# Allegro board 8880F5-0825_4.brd (continued)
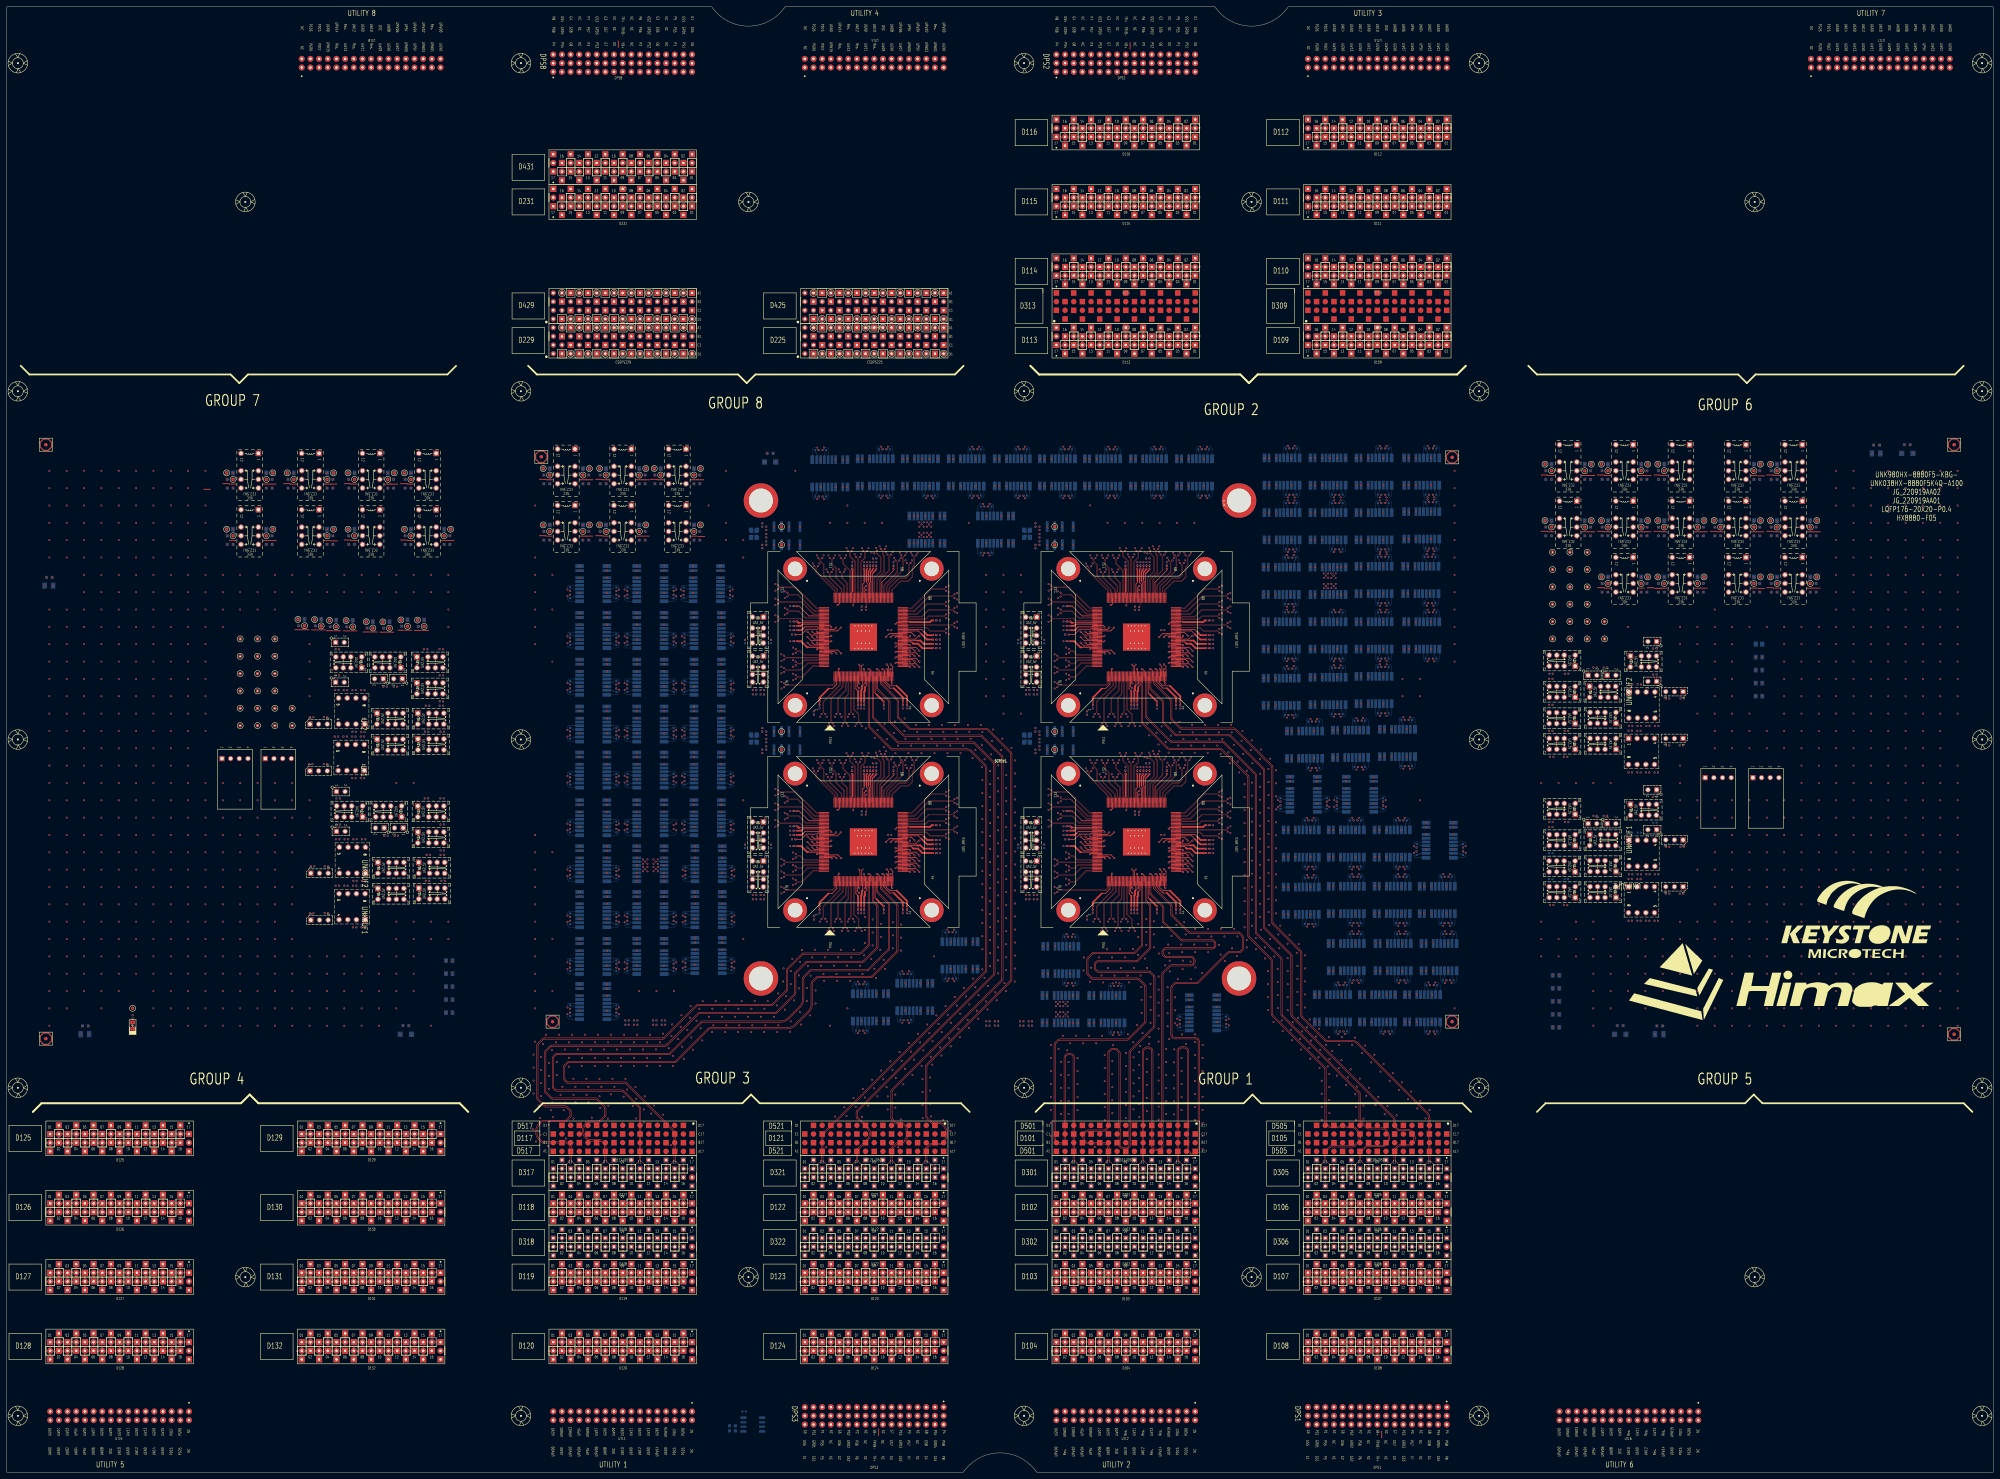
[diagram p0: board, top side]
## Routing (per net, layer and track width the routed paths; a pad name or vN(x,y) marks a point on that pad's centre or on a via; arc(x,y) is an arc through that point) (continued)
409.75,347.98 ; D110.B6 408.94,347.17 ; D110.B6 408.13,347.98 ; D110.B6 408.94,348.79 ; D305.B9 402.03,88.9 ; D305.B9 400.61,88.9 ; D305.B9 401.32,88.19 ; D305.B9 401.32,89.61 ; 174.45,415.29 DPS8.A11 ; DPS8.A11 175.26,416.1 ; DPS8.A11 175.26,414.48 ; DPS8.A11 176.07,415.29 ; D107.B3 386.08,59.23 ; D107.B3 386.89,58.42 ; D107.B3 386.08,57.61 ; D107.B3 385.27,58.42 ; D119.B6 173.53,60.96 ; D119.B6 172.72,61.77 ; D119.B6 172.72,60.15 ; D119.B6 171.91,60.96 ; D120.B4 168.45,40.64 ; D120.B4 167.64,39.83 ; D120.B4 166.83,40.64 ; D120.B4 167.64,41.45 ; 320.04,75.39 D102.A6 ; D102.A6 319.23,76.2 ; D102.A6 320.04,77.01 ; D102.A6 320.85,76.2 ; D322.A2 236.93,66.04 ; D322.A2 236.22,65.33 ; D322.A2 236.22,66.75 ; D322.A2 235.51,66.04 ; 42.37,78.74 D126.B13 ; D126.B13 43.99,78.74 ; D126.B13 43.18,77.93 ; D126.B13 43.18,79.55 ; 325.12,352.25 D114.A10 ; D114.A10 325.93,353.06 ; D114.A10 325.12,353.87 ; D114.A10 324.31,353.06 ; D301.A5 318.21,83.82 ; D301.A5 316.79,83.82 ; D301.A5 317.5,83.11 ; D301.A5 317.5,84.53 ; D107.B6 394.51,60.96 ; D107.B6 393.7,61.77 ; D107.B6 393.7,60.15 ; D107.B6 392.89,60.96 ; 264.16,62.79 D322.A13 ; D322.A13 264.16,64.21 ; D322.A13 263.45,63.5 ; D322.A13 264.87,63.5 ; D107.B12 409.75,60.96 ; D107.B12 408.94,61.77 ; D107.B12 408.94,60.15 ; D107.B12 408.13,60.96 ; 124.46,100.79 D129.B16 ; D129.B16 124.46,102.41 ; D129.B16 125.27,101.6 ; D129.B16 123.65,101.6 ; D107.B11 407.21,58.42 ; D107.B11 406.4,59.23 ; D107.B11 406.4,57.61 ; D107.B11 405.59,58.42 ; 197.31,40.64 D120.B16 ; D120.B16 198.12,39.83 ; D120.B16 198.93,40.64 ; D120.B16 198.12,41.45 ; D130.A14 120.19,76.2 ; D130.A14 119.38,75.39 ; D130.A14 118.57,76.2 ; D130.A14 119.38,77.01 ; 311.61,410.21 DPS2.C15 ; DPS2.C15 313.23,410.21 ; DPS2.C15 312.42,411.02 ; DPS2.C15 312.42,409.4 ; 248.33,187.45 SITE3.G7 ; SITE3.G7 248.33,188.41 ; SITE3.G7 248.81,187.93 ; SITE3.G7 247.85,187.93 ; D114.A7 332.74,356.41 ; D114.A7 332.74,354.79 ; D114.A7 331.93,355.6 ; D114.A7 333.55,355.6 ; D317.B6 172.72,92.15 ; D317.B6 172.01,91.44 ; D317.B6 173.43,91.44 ; D317.B6 172.72,90.73 ; 70.61,208.1 S1_I2C.4 ; S1_I2C.4 69.67,209.04 ; S1_I2C.4 70.61,209.98 ; S1_I2C.4 71.55,209.04 ; 383.54,367.49 D111.B16 ; D111.B16 383.54,369.11 ; D111.B16 382.73,368.3 ; D111.B16 384.35,368.3 ; D132.A9 106.68,33.83 ; D132.A9 105.87,33.02 ; D132.A9 106.68,32.21 ; D132.A9 107.49,33.02 ; D104.B1 307.34,38.91 ; D104.B1 307.34,37.29 ; D104.B1 306.53,38.1 ; D104.B1 308.15,38.1 ; D431.A13 170.18,386.89 ; D431.A13 170.18,385.27 ; D431.A13 169.37,386.08 ; D431.A13 170.99,386.08 ; 99.06,55.07 D131.A6 ; D131.A6 99.87,55.88 ; D131.A6 99.06,56.69 ; D131.A6 98.25,55.88 ; D301.B1 307.34,89.61 ; D301.B1 307.34,88.19 ; D301.B1 306.63,88.9 ; D301.B1 308.05,88.9 ; CSDPS429.B4 193.85,342.9 ; CSDPS429.B4 193.04,343.71 ; CSDPS429.B4 192.23,342.9 ; CSDPS429.B4 193.04,342.09 ; D128.A1 12.7,33.83 ; D128.A1 11.89,33.02 ; D128.A1 12.7,32.21 ; D128.A1 13.51,33.02 ; D124.B2 237.03,40.64 ; D124.B2 236.22,39.83 ; D124.B2 236.22,41.45 ; D124.B2 235.41,40.64 ; 241.3,39.83 D124.B4 ; D124.B4 240.49,40.64 ; D124.B4 241.3,41.45 ; D124.B4 242.11,40.64 ; 243.03,53.34 D123.A5 ; D123.A5 243.84,54.15 ; D123.A5 244.65,53.34 ; D123.A5 243.84,52.53 ; 321.77,370.84 D115.B11 ; D115.B11 323.39,370.84 ; D115.B11 322.58,370.03 ; D115.B11 322.58,371.65 ; 406.4,375.11 D111.A7 ; D111.A7 405.59,375.92 ; D111.A7 406.4,376.73 ; D111.A7 407.21,375.92 ; 334.47,327.66 D113.B6 ; D113.B6 336.09,327.66 ; D113.B6 335.28,326.85 ; D113.B6 335.28,328.47 ; SITE2.G1 328.33,241.81 ; SITE2.G1 328.81,241.33 ; SITE2.G1 328.33,240.85 ; SITE2.G1 327.85,241.33 ; D126.B7 28.75,78.74 ; D126.B7 27.13,78.74 ; D126.B7 27.94,79.55 ; D126.B7 27.94,77.93 ; D301.B5 318.21,88.9 ; D301.B5 317.5,89.61 ; D301.B5 317.5,88.19 ; D301.B5 316.79,88.9 ; 411.48,37.29 D108.B13 ; D108.B13 410.67,38.1 ; D108.B13 411.48,38.91 ; D108.B13 412.29,38.1 ; D108.B9 402.13,38.1 ; D108.B9 400.51,38.1 ; D108.B9 401.32,38.91 ; D108.B9 401.32,37.29 ; D130.B6 99.06,82.09 ; D130.B6 98.25,81.28 ; D130.B6 99.06,80.47 ; D130.B6 99.87,81.28 ; D113.B12 320.85,327.66 ; D113.B12 319.23,327.66 ; D113.B12 320.04,328.47 ; D113.B12 320.04,326.85 ; 164.29,386.08 D431.A15 ; D431.A15 165.1,386.89 ; D431.A15 165.91,386.08 ; D431.A15 165.1,385.27 ; D118.B15 196.39,78.74 ; D118.B15 195.58,79.55 ; D118.B15 195.58,77.93 ; D118.B15 194.77,78.74 ; D115.B5 338.63,370.84 ; D115.B5 337.82,371.65 ; D115.B5 337.01,370.84 ; D115.B5 337.82,370.03 ; 106.68,37.29 D132.B9 ; D132.B9 105.87,38.1 ; D132.B9 106.68,38.91 ; D132.B9 107.49,38.1 ; D113.B9 327.66,331.01 ; D113.B9 328.47,330.2 ; D113.B9 327.66,329.39 ; D113.B9 326.85,330.2 ; 396.24,390.35 D112.B11 ; D112.B11 397.05,391.16 ; D112.B11 395.43,391.16 ; D112.B11 396.24,391.97 ; 232.97,68.58 D322.B1 ; D322.B1 233.68,69.29 ; D322.B1 233.68,67.87 ; D322.B1 234.39,68.58 ; D317.B4 167.64,92.15 ; D317.B4 168.35,91.44 ; D317.B4 166.93,91.44 ; D317.B4 167.64,90.73 ; 195.58,385.27 D431.A3 ; D431.A3 196.39,386.08 ; D431.A3 194.77,386.08 ; D431.A3 195.58,386.89 ; D130.B12 115.11,81.28 ; D130.B12 113.49,81.28 ; D130.B12 114.3,82.09 ; D130.B12 114.3,80.47 ; 110.95,33.02 D132.A11 ; D132.A11 111.76,33.83 ; D132.A11 111.76,32.21 ; D132.A11 112.57,33.02 ; D110.A6 409.75,353.06 ; D110.A6 408.13,353.06 ; D110.A6 408.94,353.87 ; D110.A6 408.94,352.25 ; D302.B5 317.5,69.29 ; D302.B5 317.5,67.87 ; D302.B5 318.21,68.58 ; D302.B5 316.79,68.58 ; 324.41,66.04 D302.A8 ; D302.A8 325.12,65.33 ; D302.A8 325.83,66.04 ; D302.A8 325.12,66.75 ; D115.A14 314.96,374.19 ; D115.A14 314.15,373.38 ; D115.A14 314.96,372.57 ; D115.A14 315.77,373.38 ; 332.63,185.95 SITE4.G20 ; SITE4.G20 332.63,186.91 ; SITE4.G20 333.11,186.43 ; SITE4.G20 332.15,186.43 ; D306.B9 401.32,69.29 ; D306.B9 402.03,68.58 ; D306.B9 401.32,67.87 ; D306.B9 400.61,68.58 ; D129.B15 121.92,99.87 ; D129.B15 122.73,99.06 ; D129.B15 121.11,99.06 ; D129.B15 121.92,98.25 ; 400.51,73.66 D106.A9 ; D106.A9 401.32,74.47 ; D106.A9 401.32,72.85 ; D106.A9 402.13,73.66 ; 311.61,396.24 D116.A15 ; D116.A15 312.42,395.43 ; D116.A15 313.23,396.24 ; D116.A15 312.42,397.05 ; 105.87,53.34 D131.A9 ; D131.A9 106.68,52.53 ; D131.A9 106.68,54.15 ; D131.A9 107.49,53.34 ; D317.A15 196.29,83.82 ; D317.A15 194.87,83.82 ; D317.A15 195.58,83.11 ; D317.A15 195.58,84.53 ; 396.24,62.79 D306.A7 ; D306.A7 396.95,63.5 ; D306.A7 395.53,63.5 ; D306.A7 396.24,64.21 ; D107.B9 402.13,58.42 ; D107.B9 400.51,58.42 ; D107.B9 401.32,59.23 ; D107.B9 401.32,57.61 ; 39.83,35.56 D128.A12 ; D128.A12 41.45,35.56 ; D128.A12 40.64,36.37 ; D128.A12 40.64,34.75 ; 347.17,375.92 D115.A1 ; D115.A1 347.98,376.73 ; D115.A1 347.98,375.11 ; D115.A1 348.79,375.92 ; 250.65,60.96 D123.B8 ; D123.B8 251.46,61.77 ; D123.B8 251.46,60.15 ; D123.B8 252.27,60.96 ; 85.55,78.74 D130.B1 ; D130.B1 86.36,79.55 ; D130.B1 87.17,78.74 ; D130.B1 86.36,77.93 ; 167.64,80.47 D118.B4 ; D118.B4 166.83,81.28 ; D118.B4 168.45,81.28 ; D118.B4 167.64,82.09 ; 332.74,62.79 D302.A11 ; D302.A11 333.45,63.5 ; D302.A11 332.74,64.21 ; D302.A11 332.03,63.5 ; 393.7,367.49 D111.B12 ; D111.B12 392.89,368.3 ; D111.B12 393.7,369.11 ; D111.B12 394.51,368.3 ; 246.38,342.09 CSDPS425.B12 ; CSDPS425.B12 247.19,342.9 ; CSDPS425.B12 246.38,343.71 ; CSDPS425.B12 245.57,342.9 ; 411.48,32.21 D108.A13 ; D108.A13 412.29,33.02 ; D108.A13 411.48,33.83 ; D108.A13 410.67,33.02 ; D111.B8 404.67,368.3 ; D111.B8 403.86,367.49 ; D111.B8 403.05,368.3 ; D111.B8 403.86,369.11 ; D130.A2 89.71,76.2 ; D130.A2 88.9,77.01 ; D130.A2 88.9,75.39 ; D130.A2 88.09,76.2 ; D131.B5 97.33,58.42 ; D131.B5 96.52,57.61 ; D131.B5 95.71,58.42 ; D131.B5 96.52,59.23 ; CSDPS225.C3 270.05,330.2 ; CSDPS225.C3 268.43,330.2 ; CSDPS225.C3 269.24,331.01 ; CSDPS225.C3 269.24,329.39 ; D118.A8 177.8,77.01 ; D118.A8 176.99,76.2 ; D118.A8 178.61,76.2 ; D118.A8 177.8,75.39 ; D122.B1 233.68,79.55 ; D122.B1 233.68,77.93 ; D122.B1 234.49,78.74 ; D122.B1 232.87,78.74 ; D120.A13 190.5,33.83 ; D120.A13 191.31,33.02 ; D120.A13 190.5,32.21 ; D120.A13 189.69,33.02 ; D129.A4 93.98,97.33 ; D129.A4 93.98,95.71 ; D129.A4 93.17,96.52 ; D129.A4 94.79,96.52 ; 314.96,347.17 D114.B14 ; D114.B14 314.15,347.98 ; D114.B14 314.96,348.79 ; D114.B14 315.77,347.98 ; 195.58,329.39 CSDPS229.C3 ; CSDPS229.C3 196.39,330.2 ; CSDPS229.C3 194.77,330.2 ; CSDPS229.C3 195.58,331.01 ; 167.64,85.65 D317.A4 ; D317.A4 168.35,86.36 ; D317.A4 166.93,86.36 ; D317.A4 167.64,87.07 ; D119.B11 185.42,59.23 ; D119.B11 185.42,57.61 ; D119.B11 186.23,58.42 ; D119.B11 184.61,58.42 ; D125.B10 36.37,101.6 ; D125.B10 35.56,100.79 ; D125.B10 35.56,102.41 ; D125.B10 34.75,101.6 ; 398.78,34.75 D108.A8 ; D108.A8 397.97,35.56 ; D108.A8 399.59,35.56 ; D108.A8 398.78,36.37 ; D301.B3 313.13,88.9 ; D301.B3 312.42,88.19 ; D301.B3 311.71,88.9 ; D301.B3 312.42,89.61 ; 403.86,65.33 D306.A10 ; D306.A10 403.15,66.04 ; D306.A10 404.57,66.04 ; D306.A10 403.86,66.75 ; 47.45,78.74 D126.B15 ; D126.B15 48.26,77.93 ; D126.B15 49.07,78.74 ; D126.B15 48.26,79.55 ; 238.76,57.61 D123.B3 ; D123.B3 237.95,58.42 ; D123.B3 239.57,58.42 ; D123.B3 238.76,59.23 ; D115.B1 348.79,370.84 ; D115.B1 347.17,370.84 ; D115.B1 347.98,370.03 ; D115.B1 347.98,371.65 ; D302.A3 312.42,64.21 ; D302.A3 313.13,63.5 ; D302.A3 312.42,62.79 ; D302.A3 311.71,63.5 ; 176.99,55.88 D119.A8 ; D119.A8 177.8,56.69 ; D119.A8 178.61,55.88 ; D119.A8 177.8,55.07 ; 264.16,77.93 D122.B13 ; D122.B13 264.97,78.74 ; D122.B13 264.16,79.55 ; D122.B13 263.35,78.74 ; D131.B4 93.98,61.77 ; D131.B4 94.79,60.96 ; D131.B4 93.98,60.15 ; D131.B4 93.17,60.96 ; 414.02,347.17 D110.B4 ; D110.B4 414.83,347.98 ; D110.B4 413.21,347.98 ; D110.B4 414.02,348.79 ; D115.A12 320.04,374.19 ; D115.A12 320.04,372.57 ; D115.A12 320.85,373.38 ; D115.A12 319.23,373.38 ; 390.35,58.42 D107.B5 ; D107.B5 391.16,59.23 ; D107.B5 391.16,57.61 ; D107.B5 391.97,58.42 ; D130.A8 104.95,76.2 ; D130.A8 104.14,77.01 ; D130.A8 104.14,75.39 ; D130.A8 103.33,76.2 ; D305.B8 399.49,91.44 ; D305.B8 398.78,90.73 ; D305.B8 398.78,92.15 ; D305.B8 398.07,91.44 ; SITE1.G7 248.81,247.93 ; SITE1.G7 248.33,247.45 ; SITE1.G7 248.33,248.41 ; SITE1.G7 247.85,247.93 ; 309.17,86.36 D301.A2 ; D301.A2 309.88,85.65 ; D301.A2 309.88,87.07 ; D301.A2 310.59,86.36 ; 161.75,35.56 D120.A2 ; D120.A2 162.56,36.37 ; D120.A2 163.37,35.56 ; D120.A2 162.56,34.75 ; 334.57,71.12 D302.B12 ; D302.B12 335.28,71.83 ; D302.B12 335.99,71.12 ; D302.B12 335.28,70.41 ; 189.69,381 D431.B5 ; D431.B5 191.31,381 ; D431.B5 190.5,380.19 ; D431.B5 190.5,381.81 ; 108.41,35.56 D132.A10 ; D132.A10 110.03,35.56 ; D132.A10 109.22,36.37 ; D132.A10 109.22,34.75 ; D119.B7 175.26,59.23 ; D119.B7 174.45,58.42 ; D119.B7 175.26,57.61 ; D119.B7 176.07,58.42 ; D127.A10 35.56,56.69 ; D127.A10 35.56,55.07 ; D127.A10 36.37,55.88 ; D127.A10 34.75,55.88 ; D125.B3 17.78,99.87 ; D125.B3 16.97,99.06 ; D125.B3 17.78,98.25 ; D125.B3 18.59,99.06 ; D127.A5 22.86,54.15 ; D127.A5 22.05,53.34 ; D127.A5 23.67,53.34 ; D127.A5 22.86,52.53 ; 33.02,32.21 D128.A9 ; D128.A9 32.21,33.02 ; D128.A9 33.02,33.83 ; D128.A9 33.83,33.02 ; CSDPS429.C3 196.39,340.36 ; CSDPS429.C3 194.77,340.36 ; CSDPS429.C3 195.58,339.55 ; CSDPS429.C3 195.58,341.17 ; D317.A11 185.42,84.53 ; D317.A11 185.42,83.11 ; D317.A11 184.71,83.82 ; D317.A11 186.13,83.82 ; 16.97,38.1 D128.B3 ; D128.B3 17.78,38.91 ; D128.B3 17.78,37.29 ; D128.B3 18.59,38.1 ; D127.A8 30.48,56.69 ; D127.A8 31.29,55.88 ; D127.A8 29.67,55.88 ; D127.A8 30.48,55.07 ; D122.A16 271.78,77.01 ; D122.A16 270.97,76.2 ; D122.A16 272.59,76.2 ; D122.A16 271.78,75.39 ; 258.37,83.82 D321.A11 ; D321.A11 259.79,83.82 ; D321.A11 259.08,84.53 ; D321.A11 259.08,83.11 ; DPS2.C01 348.79,410.21 ; DPS2.C01 347.17,410.21 ; DPS2.C01 347.98,409.4 ; DPS2.C01 347.98,411.02 ; 415.75,391.16 D112.B3 ; D112.B3 416.56,391.97 ; D112.B3 416.56,390.35 ; D112.B3 417.37,391.16 ; 250.85,187.93 SITE3.G10 ; SITE3.G10 251.33,188.41 ; SITE3.G10 251.81,187.93 ; SITE3.G10 251.33,187.45 ; SITE3.G14 250.23,183.31 ; SITE3.G14 250.23,182.35 ; SITE3.G14 249.75,182.83 ; SITE3.G14 250.71,182.83 ; D128.B16 50.8,41.45 ; D128.B16 49.99,40.64 ; D128.B16 50.8,39.83 ; D128.B16 51.61,40.64 ; D128.B6 26.21,40.64 ; D128.B6 25.4,41.45 ; D128.B6 25.4,39.83 ; D128.B6 24.59,40.64 ; D318.B3 165.1,69.29 ; D318.B3 165.1,67.87 ; D318.B3 165.81,68.58 ; D318.B3 164.39,68.58 ; 40.64,55.07 D127.A12 ; D127.A12 40.64,56.69 ; D127.A12 41.45,55.88 ; D127.A12 39.83,55.88 ; D126.A4 21.13,76.2 ; D126.A4 20.32,75.39 ; D126.A4 19.51,76.2 ; D126.A4 20.32,77.01 ; D106.B2 384.35,81.28 ; D106.B2 383.54,80.47 ; D106.B2 383.54,82.09 ; D106.B2 382.73,81.28 ; D124.B8 251.46,41.45 ; D124.B8 252.27,40.64 ; D124.B8 250.65,40.64 ; D124.B8 251.46,39.83 ; D431.A12 172.72,384.35 ; D431.A12 173.53,383.54 ; D431.A12 172.72,382.73 ; D431.A12 171.91,383.54 ; SITE2.G7 328.81,247.93 ; SITE2.G7 327.85,247.93 ; SITE2.G7 328.33,247.45 ; SITE2.G7 328.33,248.41 ; D318.B8 177.8,71.83 ; D318.B8 178.51,71.12 ; D318.B8 177.8,70.41 ; D318.B8 177.09,71.12 ; 243.03,73.66 D122.A5 ; D122.A5 243.84,74.47 ; D122.A5 243.84,72.85 ; D122.A5 244.65,73.66 ; D125.A13 43.18,94.79 ; D125.A13 43.99,93.98 ; D125.A13 42.37,93.98 ; D125.A13 43.18,93.17 ; 413.31,91.44 D305.B14 ; D305.B14 414.02,90.73 ; D305.B14 414.73,91.44 ; D305.B14 414.02,92.15 ; 260.91,66.04 D322.A12 ; D322.A12 261.62,65.33 ; D322.A12 261.62,66.75 ; D322.A12 262.33,66.04 ; 311.61,375.92 D115.A15 ; D115.A15 313.23,375.92 ; D115.A15 312.42,375.11 ; D115.A15 312.42,376.73 ; 401.32,77.93 D106.B9 ; D106.B9 400.51,78.74 ; D106.B9 401.32,79.55 ; D106.B9 402.13,78.74 ; D306.B16 419.1,71.83 ; D306.B16 418.39,71.12 ; D306.B16 419.81,71.12 ; D306.B16 419.1,70.41 ; UNK3U2.4 98.34,175.46 ; UNK3U2.4 97.4,176.4 ; UNK3U2.4 96.46,175.46 ; UNK3U2.4 97.4,174.52 ; SITE3.G2 249.81,181.33 ; SITE3.G2 248.85,181.33 ; SITE3.G2 249.33,181.81 ; SITE3.G2 249.33,180.85 ; 329.39,35.56 D104.A10 ; D104.A10 330.2,34.75 ; D104.A10 331.01,35.56 ; D104.A10 330.2,36.37 ; D109.B9 402.13,330.2 ; D109.B9 401.32,329.39 ; D109.B9 401.32,331.01 ; D109.B9 400.51,330.2 ; D317.B14 193.04,92.15 ; D317.B14 192.33,91.44 ; D317.B14 193.04,90.73 ; D317.B14 193.75,91.44 ; 345.44,75.39 D102.A16 ; D102.A16 346.25,76.2 ; D102.A16 345.44,77.01 ; D102.A16 344.63,76.2 ; D123.A3 238.76,54.15 ; D123.A3 237.95,53.34 ; D123.A3 239.57,53.34 ; D123.A3 238.76,52.53 ; D129.A10 110.03,96.52 ; D129.A10 108.41,96.52 ; D129.A10 109.22,95.71 ; D129.A10 109.22,97.33 ; D127.B14 45.72,61.77 ; D127.B14 45.72,60.15 ; D127.B14 44.91,60.96 ; D127.B14 46.53,60.96 ; D125.A2 15.24,97.33 ; D125.A2 14.43,96.52 ; D125.A2 16.05,96.52 ; D125.A2 15.24,95.71 ; 321.77,330.2 D113.B11 ; D113.B11 322.58,331.01 ; D113.B11 323.39,330.2 ; D113.B11 322.58,329.39 ; 413.21,393.7 D112.A4 ; D112.A4 414.02,392.89 ; D112.A4 414.02,394.51 ; D112.A4 414.83,393.7 ; D115.A4 341.17,373.38 ; D115.A4 339.55,373.38 ; D115.A4 340.36,372.57 ; D115.A4 340.36,374.19 ; 116.03,73.66 D130.A13 ; D130.A13 117.65,73.66 ; D130.A13 116.84,74.47 ; D130.A13 116.84,72.85 ; D118.A2 162.56,77.01 ; D118.A2 161.75,76.2 ; D118.A2 162.56,75.39 ; D118.A2 163.37,76.2 ; CSDPS229.C7 186.23,330.2 ; CSDPS229.C7 185.42,329.39 ; CSDPS229.C7 184.61,330.2 ; CSDPS229.C7 185.42,331.01 ; 182.88,382.73 D431.A8 ; D431.A8 182.07,383.54 ; D431.A8 182.88,384.35 ; D431.A8 183.69,383.54 ; D125.B12 41.45,101.6 ; D125.B12 40.64,100.79 ; D125.B12 39.83,101.6 ; D125.B12 40.64,102.41 ; D110.A14 388.62,353.87 ; D110.A14 387.81,353.06 ; D110.A14 388.62,352.25 ; D110.A14 389.43,353.06 ; D322.A6 247.09,66.04 ; D322.A6 246.38,66.75 ; D322.A6 246.38,65.33 ; D322.A6 245.67,66.04 ; 190.5,52.53 D119.A13 ; D119.A13 189.69,53.34 ; D119.A13 191.31,53.34 ; D119.A13 190.5,54.15 ; 195.58,88.19 D317.B15 ; D317.B15 195.58,89.61 ; D317.B15 196.29,88.9 ; D317.B15 194.87,88.9 ; D317.B8 177.8,92.15 ; D317.B8 177.8,90.73 ; D317.B8 177.09,91.44 ; D317.B8 178.51,91.44 ; 17.78,32.21 D128.A3 ; D128.A3 18.59,33.02 ; D128.A3 16.97,33.02 ; D128.A3 17.78,33.83 ; 312.42,83.11 D301.A3 ; D301.A3 313.13,83.82 ; D301.A3 312.42,84.53 ; D301.A3 311.71,83.82 ; 413.21,327.66 D109.B4 ; D109.B4 414.83,327.66 ; D109.B4 414.02,326.85 ; D109.B4 414.02,328.47 ; 235.41,35.56 D124.A2 ; D124.A2 237.03,35.56 ; D124.A2 236.22,36.37 ; D124.A2 236.22,34.75 ; 248.11,340.36 CSDPS425.C11 ; CSDPS425.C11 248.92,339.55 ; CSDPS425.C11 249.73,340.36 ; CSDPS425.C11 248.92,341.17 ; 247.85,241.33 SITE1.G1 ; SITE1.G1 248.33,240.85 ; SITE1.G1 248.81,241.33 ; SITE1.G1 248.33,241.81 ; D130.A12 115.11,76.2 ; D130.A12 113.49,76.2 ; D130.A12 114.3,75.39 ; D130.A12 114.3,77.01 ; 340.36,326.85 D113.B4 ; D113.B4 339.55,327.66 ; D113.B4 340.36,328.47 ; D113.B4 341.17,327.66 ; D102.A7 322.58,74.47 ; D102.A7 321.77,73.66 ; D102.A7 322.58,72.85 ; D102.A7 323.39,73.66 ; SITE4.G13 329.51,182.83 ; SITE4.G13 328.55,182.83 ; SITE4.G13 329.03,183.31 ; SITE4.G13 329.03,182.35 ; D321.A5 243.84,84.53 ; D321.A5 244.55,83.82 ; D321.A5 243.84,83.11 ; D321.A5 243.13,83.82 ; D124.B15 270.05,38.1 ; D124.B15 269.24,37.29 ; D124.B15 268.43,38.1 ; D124.B15 269.24,38.91 ; 381,62.79 D306.A1 ; D306.A1 380.29,63.5 ; D306.A1 381,64.21 ; D306.A1 381.71,63.5 ; 397.97,353.06 D110.A10 ; D110.A10 399.59,353.06 ; D110.A10 398.78,352.25 ; D110.A10 398.78,353.87 ; D127.A3 18.59,53.34 ; D127.A3 16.97,53.34 ; D127.A3 17.78,54.15 ; D127.A3 17.78,52.53 ; D109.B12 394.51,327.66 ; D109.B12 393.7,328.47 ; D109.B12 392.89,327.66 ; D109.B12 393.7,326.85 ; 258.27,53.34 D123.A11 ; D123.A11 259.89,53.34 ; D123.A11 259.08,52.53 ; D123.A11 259.08,54.15 ; 307.34,57.61 D103.B1 ; D103.B1 308.15,58.42 ; D103.B1 307.34,59.23 ; D103.B1 306.53,58.42 ; D104.A16 346.25,35.56 ; D104.A16 345.44,36.37 ; D104.A16 345.44,34.75 ; D104.A16 344.63,35.56 ; D104.B13 337.82,38.91 ; D104.B13 338.63,38.1 ; D104.B13 337.82,37.29 ; D104.B13 337.01,38.1 ; D302.A16 345.44,66.75 ; D302.A16 346.15,66.04 ; D302.A16 344.73,66.04 ; D302.A16 345.44,65.33 ; 309.88,326.85 D113.B16 ; D113.B16 310.69,327.66 ; D113.B16 309.88,328.47 ; D113.B16 309.07,327.66 ; 390.35,396.24 D112.A13 ; D112.A13 391.16,397.05 ; D112.A13 391.16,395.43 ; D112.A13 391.97,396.24 ; D131.B12 115.11,60.96 ; D131.B12 114.3,60.15 ; D131.B12 114.3,61.77 ; D131.B12 113.49,60.96 ; D127.B13 43.18,59.23 ; D127.B13 43.18,57.61 ; D127.B13 42.37,58.42 ; D127.B13 43.99,58.42 ; 185.42,88.19 D317.B11 ; D317.B11 185.42,89.61 ; D317.B11 186.13,88.9 ; D317.B11 184.71,88.9 ; D116.A7 333.55,396.24 ; D116.A7 332.74,395.43 ; D116.A7 332.74,397.05 ; D116.A7 331.93,396.24 ; 185.42,380.19 D431.B7 ; D431.B7 184.61,381 ; D431.B7 185.42,381.81 ; D431.B7 186.23,381 ; D130.A16 125.27,76.2 ; D130.A16 124.46,77.01 ; D130.A16 123.65,76.2 ; D130.A16 124.46,75.39 ; D130.B8 104.14,82.09 ; D130.B8 104.95,81.28 ; D130.B8 103.33,81.28 ; D130.B8 104.14,80.47 ; 382.73,347.98 D110.B16 ; D110.B16 384.35,347.98 ; D110.B16 383.54,347.17 ; D110.B16 383.54,348.79 ; 50.8,55.07 D127.A16 ; D127.A16 50.8,56.69 ; D127.A16 49.99,55.88 ; D127.A16 51.61,55.88 ; 396.24,375.11 D111.A11 ; D111.A11 397.05,375.92 ; D111.A11 395.43,375.92 ; D111.A11 396.24,376.73 ; 161.85,86.36 D317.A2 ; D317.A2 162.56,85.65 ; D317.A2 163.27,86.36 ; D317.A2 162.56,87.07 ; D109.A12 394.51,332.74 ; D109.A12 393.7,333.55 ; D109.A12 393.7,331.93 ; D109.A12 392.89,332.74 ; D108.A15 417.37,33.02 ; D108.A15 416.56,33.83 ; D108.A15 416.56,32.21 ; D108.A15 415.75,33.02 ; CSDPS225.B14 242.11,332.74 ; CSDPS225.B14 241.3,331.93 ; CSDPS225.B14 241.3,333.55 ; CSDPS225.B14 240.49,332.74 ; 121.92,77.93 D130.B15 ; D130.B15 121.11,78.74 ; D130.B15 121.92,79.55 ; D130.B15 122.73,78.74 ; D318.A10 183.59,66.04 ; D318.A10 182.88,66.75 ; D318.A10 182.17,66.04 ; D318.A10 182.88,65.33 ; D122.A13 264.97,73.66 ; D122.A13 264.16,72.85 ; D122.A13 264.16,74.47 ; D122.A13 263.35,73.66 ; 324.31,327.66 D113.B10 ; D113.B10 325.12,326.85 ; D113.B10 325.12,328.47 ; D113.B10 325.93,327.66 ; CSDPS225.B6 262.43,332.74 ; CSDPS225.B6 261.62,333.55 ; CSDPS225.B6 260.81,332.74 ; CSDPS225.B6 261.62,331.93 ; 342.09,58.42 D103.B15 ; D103.B15 343.71,58.42 ; D103.B15 342.9,59.23 ; D103.B15 342.9,57.61 ; D127.A13 43.18,54.15 ; D127.A13 43.18,52.53 ; D127.A13 42.37,53.34 ; D127.A13 43.99,53.34 ; D127.B10 36.37,60.96 ; D127.B10 35.56,61.77 ; D127.B10 34.75,60.96 ; D127.B10 35.56,60.15 ; D302.B3 313.13,68.58 ; D302.B3 312.42,69.29 